# KiCad board yddraig68k.kicad_pcb
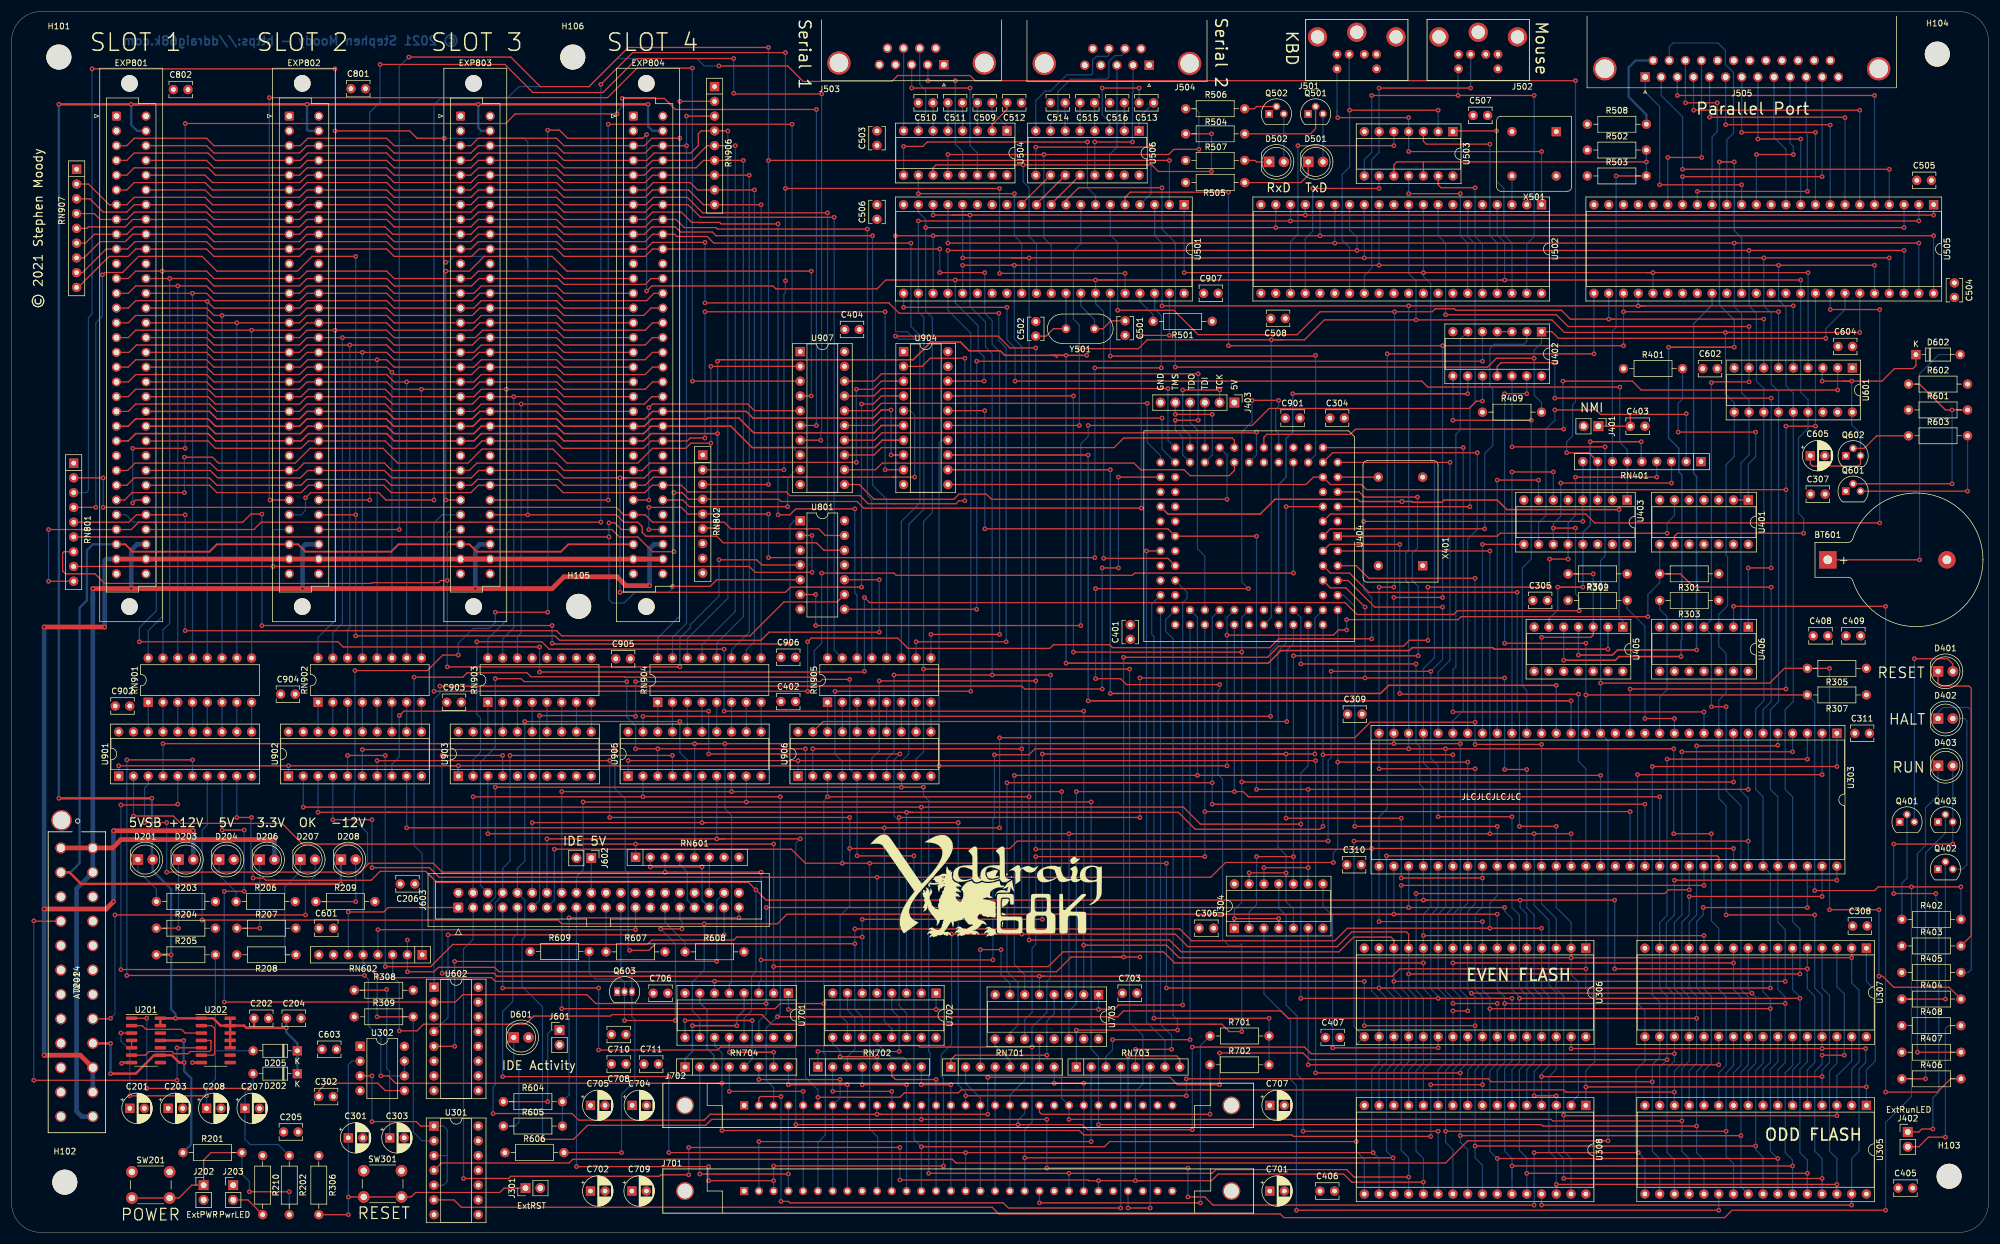
[diagram p0: board, top side]
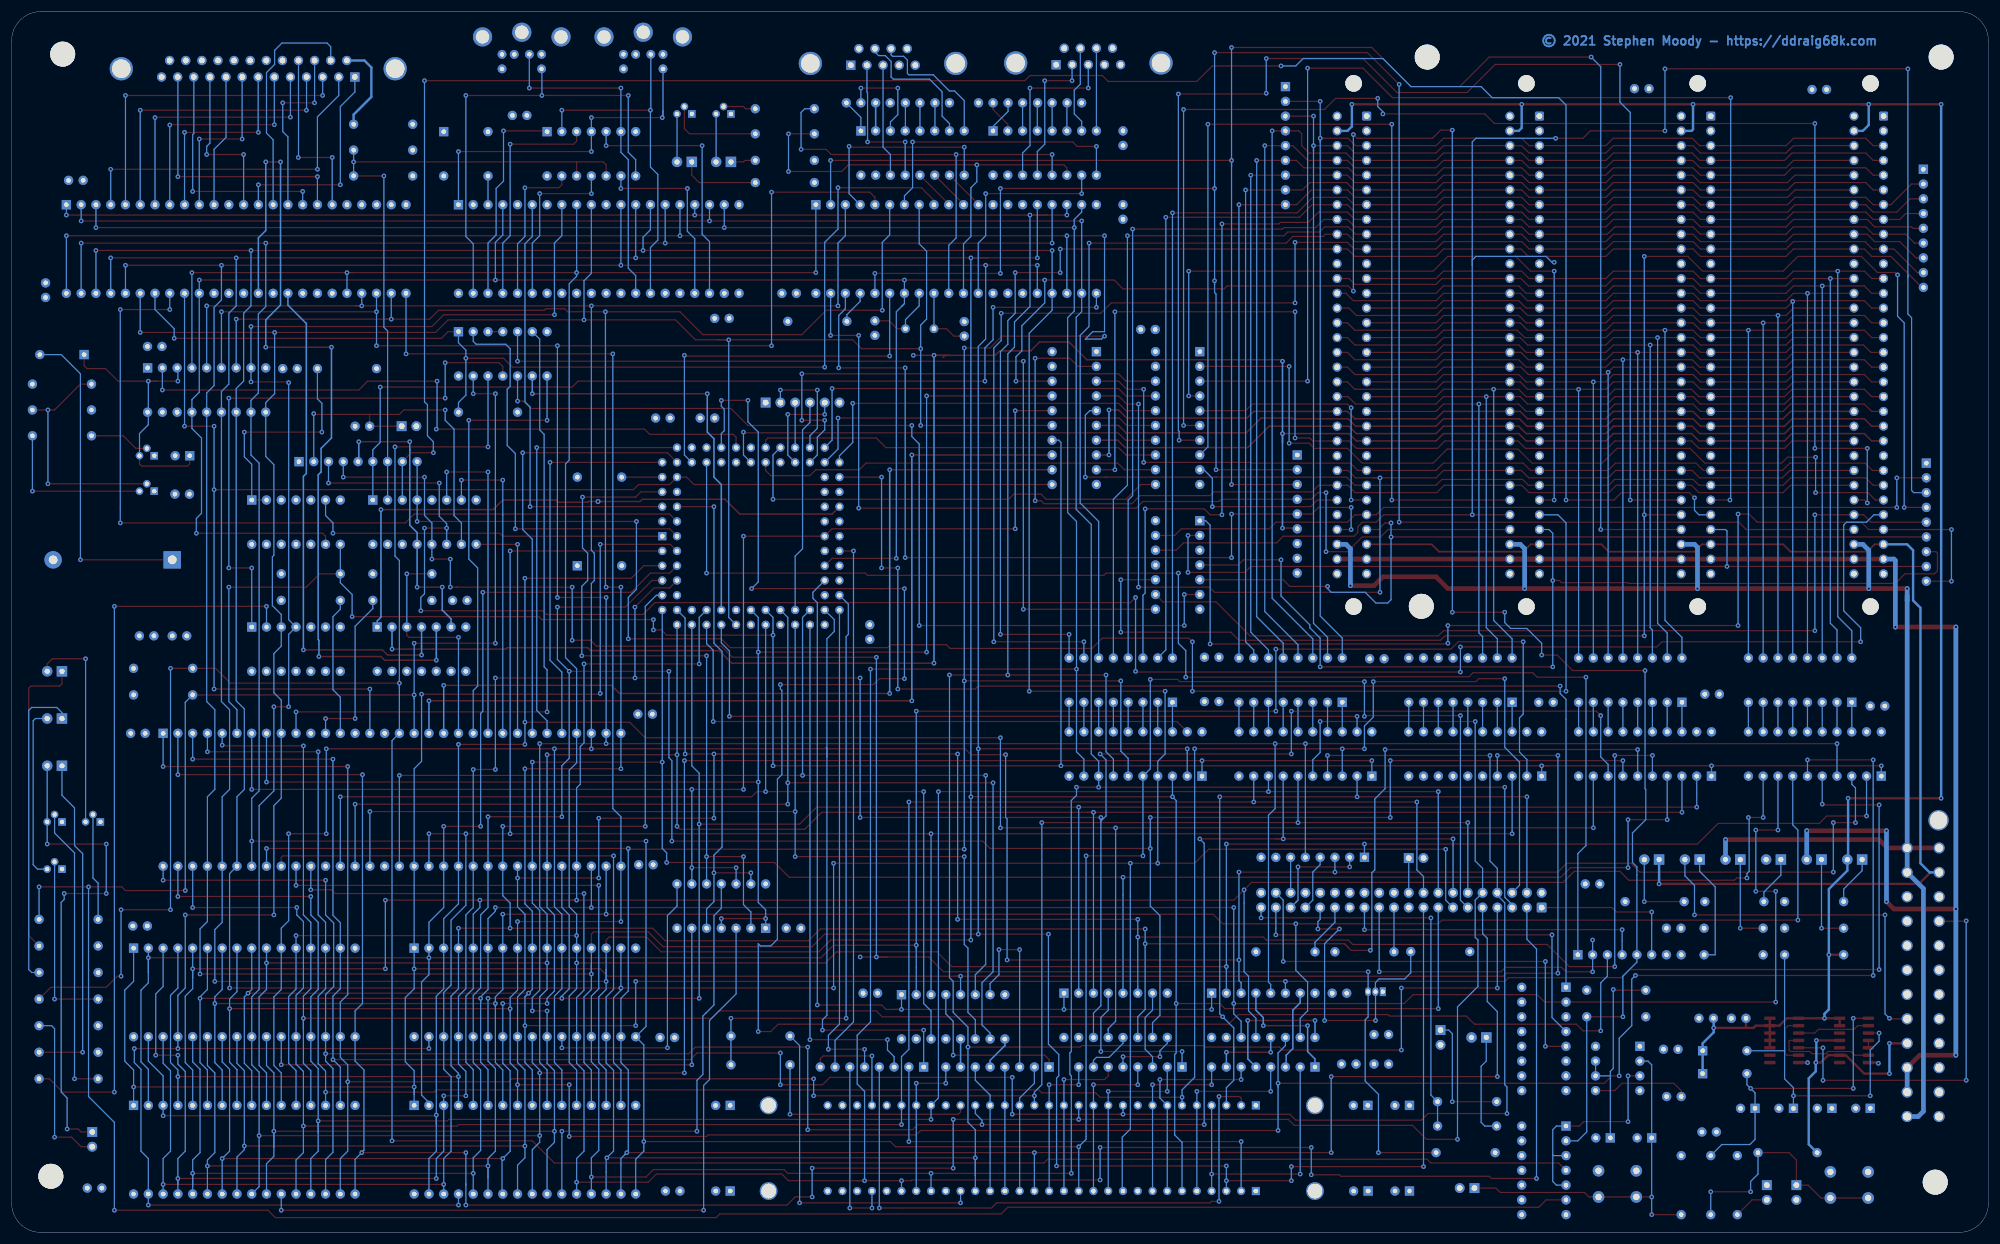
[diagram p1: board, bottom side, seen from below]

Outline 340 x 210 mm; copper layers: Top, In1.Cu, In2.Cu, Bottom. Coordinates in mm from the lower left corner of the outline.
Outline path: 0,205 0,5 arc(1.46,1.46) 5,0 335,0 arc(338.54,1.46) 340,5 340,205 arc(338.54,208.54) 335,210 5,210 arc(1.46,208.54) 0,205

## Placement (name value [footprint] x y rotation side)
BT601  CR2032  [BatteryHolder_Keystone_103_1x20mm]  312.38 115.7 0 top
C201  47uF  [CP_Radial_D5.0mm_P2.50mm]  20.32 21.34 0 top
C202  100nF  [C_Disc_D3.8mm_W2.6mm_P2.50mm]  41.7 36.83 0 top
C203  47uF  [CP_Radial_D5.0mm_P2.50mm]  26.92 21.34 0 top
C204  100nF  [C_Disc_D3.8mm_W2.6mm_P2.50mm]  47.28 36.83 0 top
C205  100nF  [C_Disc_D3.8mm_W2.6mm_P2.50mm]  46.78 17.27 0 top
C206  100nF  [C_Disc_D3.8mm_W2.6mm_P2.50mm]  69.34 59.94 180 top
C207  1uF  [CP_Radial_D5.0mm_P2.50mm]  40.13 21.34 0 top
C208  10uF  [CP_Radial_D5.0mm_P2.50mm]  33.53 21.34 0 top
C301  10uF  [CP_Radial_D5.0mm_P2.50mm]  57.91 16.26 0 top
C302  10nF  [C_Disc_D3.8mm_W2.6mm_P2.50mm]  52.83 23.37 0 top
C303  10uF  [CP_Radial_D5.0mm_P2.50mm]  65.02 16.26 0 top
C304  100nF  [C_Disc_D3.8mm_W2.6mm_P2.50mm]  226.74 140.08 0 top
C305  100nF  [C_Disc_D3.8mm_W2.6mm_P2.50mm]  261.66 108.71 0 top
C306  100nF  [C_Disc_D3.8mm_W2.6mm_P2.50mm]  204.26 52.32 0 top
C307  100nF  [C_Disc_D3.8mm_W2.6mm_P2.50mm]  309.41 127 0 top
C308  100nF  [C_Disc_D3.8mm_W2.6mm_P2.50mm]  316.65 52.71 0 top
C309  100nF  [C_Disc_D3.8mm_W2.6mm_P2.50mm]  229.78 89.15 0 top
C310  100nF  [C_Disc_D3.8mm_W2.6mm_P2.50mm]  229.66 63.25 0 top
C311  100nF  [C_Disc_D3.8mm_W2.6mm_P2.50mm]  317.03 85.85 0 top
C401  100nF  [C_Disc_D3.8mm_W2.6mm_P2.50mm]  192.41 102.02 90 top
C402  100nF  [C_Disc_D3.8mm_W2.6mm_P2.50mm]  132.33 91.31 0 top
C403  100nF  [C_Disc_D3.8mm_W2.6mm_P2.50mm]  278.42 138.68 0 top
C404  100nF  [C_Disc_D3.8mm_W2.6mm_P2.50mm]  143.3 155.32 0 top
C405  100nF  [C_Disc_D3.8mm_W2.6mm_P2.50mm]  324.49 7.62 0 top
C406  100nF  [C_Disc_D3.8mm_W2.6mm_P2.50mm]  225.04 7.11 0 top
C407  100nF  [C_Disc_D3.8mm_W2.6mm_P2.50mm]  225.97 33.53 0 top
C408  100nF  [C_Disc_D3.8mm_W2.6mm_P2.50mm]  309.88 102.62 0 top
C409  100nF  [C_Disc_D3.8mm_W2.6mm_P2.50mm]  315.53 102.62 0 top
C501  10pF  [C_Disc_D3.8mm_W2.6mm_P2.50mm]  191.52 156.81 270 top
C502  5pF  [C_Disc_D3.8mm_W2.6mm_P2.50mm]  176.15 154.18 90 top
C503  100nF  [C_Disc_D3.8mm_W2.6mm_P2.50mm]  148.84 186.98 90 top
C504  100nF  [C_Disc_D3.8mm_W2.6mm_P2.50mm]  334.16 163.33 270 top
C505  100nF  [C_Disc_D3.8mm_W2.6mm_P2.50mm]  327.7 180.97 0 top
C506  100nF  [C_Disc_D3.8mm_W2.6mm_P2.50mm]  148.84 174.28 90 top
C507  100nF  [C_Disc_D3.8mm_W2.6mm_P2.50mm]  251.37 192.15 0 top
C508  100nF  [C_Disc_D3.8mm_W2.6mm_P2.50mm]  219.07 157.23 180 top
C509  100nF  [C_Disc_D3.8mm_W2.6mm_P2.50mm]  168.62 194.31 180 top
C510  100nF  [C_Disc_D3.8mm_W2.6mm_P2.50mm]  158.46 194.31 180 top
C511  100nF  [C_Disc_D3.8mm_W2.6mm_P2.50mm]  163.54 194.31 180 top
C512  100nF  [C_Disc_D3.8mm_W2.6mm_P2.50mm]  173.7 194.31 180 top
C513  100nF  [C_Disc_D3.8mm_W2.6mm_P2.50mm]  196.43 194.31 180 top
C514  100nF  [C_Disc_D3.8mm_W2.6mm_P2.50mm]  181.19 194.31 180 top
C515  100nF  [C_Disc_D3.8mm_W2.6mm_P2.50mm]  186.27 194.31 180 top
C516  100nF  [C_Disc_D3.8mm_W2.6mm_P2.50mm]  191.39 194.31 180 top
C601  100nF  [C_Disc_D3.8mm_W2.6mm_P2.50mm]  52.87 52.32 0 top
C602  100nF  [C_Disc_D3.8mm_W2.6mm_P2.50mm]  290.87 148.59 0 top
C603  100nF  [C_Disc_D3.8mm_W2.6mm_P2.50mm]  53.38 31.5 0 top
C604  100nF  [C_Disc_D3.8mm_W2.6mm_P2.50mm]  314.14 152.4 0 top
C605  10uF  [CP_Radial_D5.0mm_P2.50mm]  309.37 133.6 0 top
C701  47uF  [CP_Radial_D5.0mm_P2.50mm]  216.41 7.11 0 top
C702  10uF  [CP_Radial_D5.0mm_P2.50mm]  99.57 7.11 0 top
C703  100nF  [C_Disc_D3.8mm_W2.6mm_P2.50mm]  191.05 41.15 0 top
C704  47uF  [CP_Radial_D5.0mm_P2.50mm]  106.72 21.84 0 top
C705  10uF  [CP_Radial_D5.0mm_P2.50mm]  99.57 21.84 0 top
C706  100nF  [C_Disc_D3.8mm_W2.6mm_P2.50mm]  110.36 41.15 0 top
C707  47uF  [CP_Radial_D5.0mm_P2.50mm]  216.41 21.84 0 top
C708  100nF  [C_Disc_D3.8mm_W2.6mm_P2.50mm]  105.66 28.96 180 top
C709  47uF  [CP_Radial_D5.0mm_P2.50mm]  106.68 7.11 0 top
C710  100nF  [C_Disc_D3.8mm_W2.6mm_P2.50mm]  105.66 34.04 180 top
C711  100nF  [C_Disc_D3.8mm_W2.6mm_P2.50mm]  108.75 28.96 0 top
C801  100nF  [C_Disc_D3.8mm_W2.6mm_P2.50mm]  58.37 196.75 0 top
C802  100nF  [C_Disc_D3.8mm_W2.6mm_P2.50mm]  27.83 196.6 0 top
C901  100nF  [C_Disc_D3.8mm_W2.6mm_P2.50mm]  219.07 140.08 0 top
C902  100nF  [C_Disc_D3.8mm_W2.6mm_P2.50mm]  17.82 90.55 0 top
C903  100nF  [C_Disc_D3.8mm_W2.6mm_P2.50mm]  74.84 91.19 0 top
C904  100nF  [C_Disc_D3.8mm_W2.6mm_P2.50mm]  46.27 92.58 0 top
C905  100nF  [C_Disc_D3.8mm_W2.6mm_P2.50mm]  103.93 98.68 0 top
C906  100nF  [C_Disc_D3.8mm_W2.6mm_P2.50mm]  132.33 98.93 0 top
C907  100nF  [C_Disc_D3.8mm_W2.6mm_P2.50mm]  205.02 161.54 0 top
D201  LED  [LED_D5.0mm]  21.72 64.13 0 top
D202  1N4148  [D_DO-35_SOD27_P7.62mm_Horizontal]  49.15 27.31 180 top
D203  LED  [LED_D5.0mm]  28.7 64.13 0 top
D204  LED  [LED_D5.0mm]  35.69 64.13 0 top
D205  1N4148  [D_DO-35_SOD27_P7.62mm_Horizontal]  49.15 31.24 180 top
D206  LED  [LED_D5.0mm]  42.67 64.13 0 top
D207  LED  [LED_D5.0mm]  49.66 64.13 0 top
D208  LED  [LED_D5.0mm]  56.64 64.13 0 top
D401  RED  [LED_D5.0mm]  331.34 96.52 0 top
D402  RED  [LED_D5.0mm]  331.34 88.39 0 top
D403  GREEN  [LED_D5.0mm]  331.34 80.26 0 top
D501  Green  [LED_D5.0mm]  223.01 184.15 0 top
D502  Green  [LED_D5.0mm]  216.28 184.15 0 top
D601  Blue  [LED_D5.0mm]  86.36 33.53 0 top
D602  1N4148  [D_DO-35_SOD27_P7.62mm_Horizontal]  327.53 151 0 top
EXP801  D68K_64PIN_PCB  [DIN41612_C_2x32_Female_Vertical_THT]  18.03 192.02 0 top
EXP802  D68K_64PIN_PCB  [DIN41612_C_2x32_Female_Vertical_THT]  47.75 192.02 0 top
EXP803  D68K_64PIN_PCB  [DIN41612_C_2x32_Female_Vertical_THT]  77.22 192.02 0 top
EXP804  D68K_64PIN_PCB  [DIN41612_C_2x32_Female_Vertical_THT]  106.93 192.02 0 top
G***  LOGO  [Ddraig68k-40mm]  167.89 59.94 0 top
H101  MountingHole  [MountingHole_4.3mm_M4]  8.13 202.18 0 top
H102  MountingHole  [MountingHole_4.3mm_M4]  9.14 8.64 0 top
H103  MountingHole  [MountingHole_4.3mm_M4]  333.25 9.65 0 top
H104  MountingHole  [MountingHole_4.3mm_M4]  331.22 202.69 0 top
H105  MountingHole  [MountingHole_4.3mm_M4]  97.54 107.7 0 top
H106  MountingHole  [MountingHole_4.3mm_M4]  96.52 202.18 0 top
J201  ATX-24  [1-1775099-3]  13.97 66.13 270 top
J202  ExtPWR  [PinHeader_1x02_P2.54mm_Vertical]  33.02 8.13 0 top
J203  PWRLED  [PinHeader_1x02_P2.54mm_Vertical]  38.1 8.13 0 top
J301  Conn_01x02  [PinHeader_1x02_P2.54mm_Vertical]  88.39 7.62 90 top
J401  NMI Reset  [PinHeader_1x02_P2.54mm_Vertical]  272.92 138.68 270 top
J402  Ext RUN LED  [PinHeader_1x02_P2.54mm_Vertical]  326.14 17.27 0 top
J403  Conn_01x06  [PinHeader_1x06_P2.54mm_Vertical]  210.31 142.75 270 top
J501  Keyboard  [MINI-DIN-6-FULL-SHIELD]  231.37 211.15 0 top
J502  Mouse  [MINI-DIN-6-FULL-SHIELD]  252.25 211.15 0 top
J503  Serial1  [DSUB-9_Male_Horizontal_P2.77x2.84mm_EdgePinOffset4.94mm_Housed_MountingHolesOffset7.48mm]  160.34 200.87 180 top
J504  Serial2  [DSUB-9_Male_Horizontal_P2.77x2.84mm_EdgePinOffset4.94mm_Housed_MountingHolesOffset7.48mm]  195.66 200.79 180 top
J505  Parallel  [DSUB-25_Female_Horizontal_P2.77x2.84mm_EdgePinOffset7.70mm_Housed_MountingHolesOffset9.12mm]  280.97 198.75 180 top
J601  IDE LED  [PinHeader_1x02_P2.54mm_Vertical]  94.23 34.8 0 top
J602  IDE 5V  [PinHeader_1x02_P2.54mm_Vertical]  99.69 64.39 270 top
J603  IDE_Interface  [IDC-Header_2x20_P2.54mm_Vertical]  76.84 55.88 90 top
J701  -  [SIMM-30]  162.81 7.11 0 top
J702  -  [SIMM-30]  162.81 21.84 0 top
Q401  2N4403  [TO-92]  324.74 70.61 0 top
Q402  2N4403  [TO-92]  331.34 62.48 0 top
Q403  2N4403  [TO-92]  331.34 70.61 0 top
Q501  2N4403  [TO-92]  223.01 192.41 0 top
Q502  2N4403  [TO-92]  216.28 192.41 0 top
Q601  BC549B  [TO-92]  315.47 127.51 0 top
Q602  2N4403  [TO-92]  315.47 133.6 0 top
Q603  2N7000  [TO-92_Inline]  104.16 41.4 0 top
R201  10K  [R_Axial_DIN0207_L6.3mm_D2.5mm_P10.16mm_Horizontal]  29.46 13.72 0 top
R202  470R  [R_Axial_DIN0207_L6.3mm_D2.5mm_P10.16mm_Horizontal]  47.75 13.21 270 top
R203  330R  [R_Axial_DIN0207_L6.3mm_D2.5mm_P10.16mm_Horizontal]  24.89 56.9 0 top
R204  680R  [R_Axial_DIN0207_L6.3mm_D2.5mm_P10.16mm_Horizontal]  24.89 52.32 0 top
R205  10K  [R_Axial_DIN0207_L6.3mm_D2.5mm_P10.16mm_Horizontal]  24.89 47.75 0 top
R206  330R  [R_Axial_DIN0207_L6.3mm_D2.5mm_P10.16mm_Horizontal]  38.61 56.9 0 top
R207  330R  [R_Axial_DIN0207_L6.3mm_D2.5mm_P10.16mm_Horizontal]  38.73 52.32 0 top
R208  330R  [R_Axial_DIN0207_L6.3mm_D2.5mm_P10.16mm_Horizontal]  48.9 47.75 180 top
R209  680R  [R_Axial_DIN0207_L6.3mm_D2.5mm_P10.16mm_Horizontal]  52.32 56.9 0 top
R210  330R  [R_Axial_DIN0207_L6.3mm_D2.5mm_P10.16mm_Horizontal]  43.18 3.05 90 top
R301  4K7  [R_Axial_DIN0207_L6.3mm_D2.5mm_P10.16mm_Horizontal]  293.62 113.28 180 top
R302  4K7  [R_Axial_DIN0207_L6.3mm_D2.5mm_P10.16mm_Horizontal]  277.88 113.28 180 top
R303  4K7  [R_Axial_DIN0207_L6.3mm_D2.5mm_P10.16mm_Horizontal]  293.62 108.71 180 top
R304  4K7  [R_Axial_DIN0207_L6.3mm_D2.5mm_P10.16mm_Horizontal]  267.72 108.71 0 top
R305  4K7  [R_Axial_DIN0207_L6.3mm_D2.5mm_P10.16mm_Horizontal]  319.02 97.03 180 top
R306  10K  [R_Axial_DIN0207_L6.3mm_D2.5mm_P10.16mm_Horizontal]  52.83 13.21 270 top
R307  4K7  [R_Axial_DIN0207_L6.3mm_D2.5mm_P10.16mm_Horizontal]  319.02 92.46 180 top
R308  38K  [R_Axial_DIN0207_L6.3mm_D2.5mm_P10.16mm_Horizontal]  69.09 41.66 180 top
R309  4K7  [R_Axial_DIN0207_L6.3mm_D2.5mm_P10.16mm_Horizontal]  58.93 37.08 0 top
R401  4K7  [R_Axial_DIN0207_L6.3mm_D2.5mm_P10.16mm_Horizontal]  277.24 148.59 0 top
R402  1K  [R_Axial_DIN0207_L6.3mm_D2.5mm_P10.16mm_Horizontal]  325.12 53.85 0 top
R403  150R  [R_Axial_DIN0207_L6.3mm_D2.5mm_P10.16mm_Horizontal]  325.12 49.28 0 top
R404  1K  [R_Axial_DIN0207_L6.3mm_D2.5mm_P10.16mm_Horizontal]  325.12 40.13 0 top
R405  150R  [R_Axial_DIN0207_L6.3mm_D2.5mm_P10.16mm_Horizontal]  325.12 44.7 0 top
R406  1K  [R_Axial_DIN0207_L6.3mm_D2.5mm_P10.16mm_Horizontal]  325.12 26.42 0 top
R407  150R  [R_Axial_DIN0207_L6.3mm_D2.5mm_P10.16mm_Horizontal]  325.12 30.99 0 top
R408  150R  [R_Axial_DIN0207_L6.3mm_D2.5mm_P10.16mm_Horizontal]  325.12 35.56 0 top
R409  4K7  [R_Axial_DIN0207_L6.3mm_D2.5mm_P10.16mm_Horizontal]  252.98 141.1 0 top
R501  4K7  [R_Axial_DIN0207_L6.3mm_D2.5mm_P10.16mm_Horizontal]  206.5 156.72 180 top
R502  10K  [R_Axial_DIN0207_L6.3mm_D2.5mm_P10.16mm_Horizontal]  271.02 186.18 0 top
R503  10K  [R_Axial_DIN0207_L6.3mm_D2.5mm_P10.16mm_Horizontal]  271.02 181.74 0 top
R504  150R  [R_Axial_DIN0207_L6.3mm_D2.5mm_P10.16mm_Horizontal]  212.09 188.98 180 top
R505  150R  [R_Axial_DIN0207_L6.3mm_D2.5mm_P10.16mm_Horizontal]  212.09 180.59 180 top
R506  150R  [R_Axial_DIN0207_L6.3mm_D2.5mm_P10.16mm_Horizontal]  212.09 193.29 180 top
R507  150R  [R_Axial_DIN0207_L6.3mm_D2.5mm_P10.16mm_Horizontal]  212.09 184.4 180 top
R508  1K  [R_Axial_DIN0207_L6.3mm_D2.5mm_P10.16mm_Horizontal]  271.02 190.63 0 top
R601  4K7  [R_Axial_DIN0207_L6.3mm_D2.5mm_P10.16mm_Horizontal]  326.26 141.48 0 top
R602  4K7  [R_Axial_DIN0207_L6.3mm_D2.5mm_P10.16mm_Horizontal]  326.26 145.92 0 top
R603  4K7  [R_Axial_DIN0207_L6.3mm_D2.5mm_P10.16mm_Horizontal]  326.26 137.03 0 top
R604  330R  [R_Axial_DIN0207_L6.3mm_D2.5mm_P10.16mm_Horizontal]  84.58 22.48 0 top
R605  330R  [R_Axial_DIN0207_L6.3mm_D2.5mm_P10.16mm_Horizontal]  84.58 18.29 0 top
R606  1M  [R_Axial_DIN0207_L6.3mm_D2.5mm_P10.16mm_Horizontal]  84.84 13.72 0 top
R607  10K  [R_Axial_DIN0207_L6.3mm_D2.5mm_P10.16mm_Horizontal]  102.24 48.26 0 top
R608  10K  [R_Axial_DIN0207_L6.3mm_D2.5mm_P10.16mm_Horizontal]  115.82 48.26 0 top
R609  10K  [R_Axial_DIN0207_L6.3mm_D2.5mm_P10.16mm_Horizontal]  89.2 48.3 0 top
R701  22R  [R_Axial_DIN0207_L6.3mm_D2.5mm_P10.16mm_Horizontal]  206.12 33.78 0 top
R702  22R  [R_Axial_DIN0207_L6.3mm_D2.5mm_P10.16mm_Horizontal]  206.12 28.83 0 top
RN401  10K  [R_Array_SIP9]  290.58 132.59 180 top
RN601  22R  [R_Array_SIP8]  107.31 64.52 0 top
RN602  22R  [R_Array_SIP8]  70.61 47.75 180 top
RN701  22R  [R_Array_SIP8]  161.54 28.45 0 top
RN702  22R  [R_Array_SIP8]  138.68 28.45 0 top
RN703  22R  [R_Array_SIP8]  183.13 28.45 0 top
RN704  22R  [R_Array_SIP8]  115.82 28.45 0 top
RN801  10K  [R_Array_SIP9]  10.67 132.33 270 top
RN802  10K  [R_Array_SIP9]  118.87 133.73 270 top
RN901  22R  [DIP-16_W7.62mm]  23.49 91.19 90 top
RN902  22R  [DIP-16_W7.62mm]  52.7 91.19 90 top
RN903  22R  [DIP-16_W7.62mm]  81.91 91.19 90 top
RN904  22R  [DIP-16_W7.62mm]  111.12 91.19 90 top
RN905  22R  [DIP-16_W7.62mm]  140.34 91.19 90 top
RN906  10K  [R_Array_SIP9]  120.9 197.1 270 top
RN907  10K  [R_Array_SIP9]  11.18 182.88 270 top
SW201  SW_SPST  [SW_PUSH_6mm_H4.3mm]  20.68 10.41 0 top
SW301  SW_SPST  [SW_PUSH_6mm_H4.3mm]  60.56 10.6 0 top
U201  74HCT14  [SO-14_3.9x8.65mm_P1.27mm]  23.11 33.02 0 top
U202  74HCT74  [SO-14_3.9x8.65mm_P1.27mm]  35.11 33.02 0 top
U301  74LS06  [DIP-14_W7.62mm_Socket]  72.64 18.29 0 top
U302  NE555P  [DIP-8_W7.62mm]  59.94 32 0 top
U303  68000D  [DIP-64_W22.86mm_Socket]  313.94 85.85 270 top
U304  74LS32  [DIP-14_W7.62mm_Socket]  210.31 52.32 90 top
U305  SST39SF040  [DIP-32_W15.24mm_Socket]  319.02 21.84 270 top
U306  SST39SF040  [DIP-32_W15.24mm_Socket]  270.76 48.9 270 top
U307  AS6C4008-55PCN  [DIP-32_W15.24mm_Socket]  319.02 48.9 270 top
U308  AS6C4008-55PCN  [DIP-32_W15.24mm_Socket]  270.76 21.84 270 top
U401  74HC164  [DIP-14_W7.62mm_Socket]  298.7 125.98 270 top
U402  74LS08  [DIP-14_W7.62mm_Socket]  263.14 154.94 270 top
U403  74LS148  [DIP-16_W7.62mm_Socket]  277.88 125.98 270 top
U404  XC95108PC84  [PLCC-84_THT-Socket]  228.09 119.76 270 top
U405  74LS08  [DIP-14_W7.62mm_Socket]  277.11 104.14 270 top
U406  74LS04  [DIP-14_W7.62mm_Socket]  298.7 104.14 270 top
U501  68681  [DIP-40_W15.24mm_Socket]  201.68 176.78 270 top
U502  VT82C42  [DIP-40_W15.24mm_Socket]  263.14 176.78 270 top
U503  74LS06  [DIP-14_W7.62mm_Socket]  247.9 189.36 270 top
U504  MAX202  [DIP-16_W7.62mm_Socket]  171.2 189.48 270 top
U505  68230  [DIP-48_W15.24mm_Socket]  330.58 176.78 270 top
U506  MAX202  [DIP-16_W7.62mm_Socket]  193.93 189.48 270 top
U601  RTC-72421  [DIP-18_W7.62mm_Socket]  316.61 148.72 270 top
U602  74LS139  [DIP-16_W7.62mm_Socket]  72.64 42.16 0 top
U701  74LS157  [DIP-16_W7.62mm_Socket]  133.6 41.15 270 top
U702  74LS157  [DIP-16_W7.62mm_Socket]  159 41.15 270 top
U703  74LS157  [DIP-16_W7.62mm_Socket]  186.94 40.89 270 top
U801  74LS21  [DIP-14_W7.62mm]  135.64 122.43 0 top
U901  74LS541  [DIP-20_W7.62mm_Socket]  18.41 78.49 90 top
U902  74LS541  [DIP-20_W7.62mm_Socket]  47.62 78.49 90 top
U903  74LS541  [DIP-20_W7.62mm_Socket]  76.84 78.49 90 top
U904  74LS245  [DIP-20_W7.62mm_Socket]  153.42 151.51 0 top
U905  74LS245  [DIP-20_W7.62mm_Socket]  106.05 78.49 90 top
U906  74LS245  [DIP-20_W7.62mm_Socket]  135.25 78.49 90 top
U907  74LS245  [DIP-20_W7.62mm_Socket]  135.64 151.51 0 top
X401  40MHz  [Oscillator_DIP-14]  242.7 114.68 90 top
X501  CXO_DIP8  [Oscillator_DIP-8]  265.68 189.36 180 top
Y501  3.6864MHz  [Crystal_HC18-U_Vertical]  186.26 155.45 180 top

## Footprints (pads in the part's own frame, mm; a bottom-side part is the same pattern mirrored in y, then rotated)
1-1775099-3
  round 1.905 hole 1.397: 1(0,0) 2(4.2,0) 3(8.4,0) 4(12.6,0) 5(16.8,0) 6(21,0) 7(25.2,0) 8(29.4,0) 9(33.6,0) 10(37.8,0) 11(42,0) 12(46.2,0) 13(0,-5.5) 14(4.2,-5.5) 15(8.4,-5.5) 16(12.6,-5.5) 17(16.8,-5.5) 18(21,-5.5) 19(25.2,-5.5) 20(29.4,-5.5) 21(33.6,-5.5) 22(37.8,-5.5) 23(42,-5.5) 24(46.2,-5.5)
  round 3.505 hole 2.997: 25(-4.764,-5.397)
BatteryHolder_Keystone_103_1x20mm
  rect 3x3 hole 1.5: 1(0,0)
  round 3 hole 1.5: 2(20.49,0)
C_Disc_D3.8mm_W2.6mm_P2.50mm
  round 1.6 hole 0.8: 1(0,0) 2(2.5,0)
CP_Radial_D5.0mm_P2.50mm
  rect 1.6x1.6 hole 0.8: 1(0,0)
  round 1.6 hole 0.8: 2(2.5,0)
Crystal_HC18-U_Vertical
  round 1.5 hole 0.8: 1(0,0) 2(4.9,0)
D_DO-35_SOD27_P7.62mm_Horizontal
  rect 1.6x1.6 hole 0.8: 1(0,0)
  oval 1.6x1.6 hole 0.8: 2(7.62,0)
DIN41612_C_2x32_Female_Vertical_THT
  round 2.85 hole 2.85 unplated: (2.24,5.63) (2.24,-84.37)
  rrect 1.55x1.55 hole 1: A1(0,0)
  round 1.55 hole 1: A2(0,-2.54) A3(0,-5.08) A4(0,-7.62) A5(0,-10.16) A6(0,-12.7) A7(0,-15.24) A8(0,-17.78) A9(0,-20.32) A10(0,-22.86) A11(0,-25.4) A12(0,-27.94) A13(0,-30.48) A14(0,-33.02) A15(0,-35.56) A16(0,-38.1) A17(0,-40.64) A18(0,-43.18) A19(0,-45.72) A20(0,-48.26) A21(0,-50.8) A22(0,-53.34) A23(0,-55.88) A24(0,-58.42) A25(0,-60.96) A26(0,-63.5) A27(0,-66.04) A28(0,-68.58) A29(0,-71.12) A30(0,-73.66) A31(0,-76.2) A32(0,-78.74) C1(5.08,0) C2(5.08,-2.54) C3(5.08,-5.08) C4(5.08,-7.62) C5(5.08,-10.16) C6(5.08,-12.7) C7(5.08,-15.24) C8(5.08,-17.78) C9(5.08,-20.32) C10(5.08,-22.86) C11(5.08,-25.4) C12(5.08,-27.94) C13(5.08,-30.48) C14(5.08,-33.02) C15(5.08,-35.56) C16(5.08,-38.1) C17(5.08,-40.64) C18(5.08,-43.18) C19(5.08,-45.72) C20(5.08,-48.26) C21(5.08,-50.8) C22(5.08,-53.34) C23(5.08,-55.88) C24(5.08,-58.42) C25(5.08,-60.96) C26(5.08,-63.5) C27(5.08,-66.04) C28(5.08,-68.58) C29(5.08,-71.12) C30(5.08,-73.66) C31(5.08,-76.2) C32(5.08,-78.74)
DIP-8_W7.62mm
  rect 1.6x1.6 hole 0.8: 1(0,0)
  oval 1.6x1.6 hole 0.8: 2(0,-2.54) 3(0,-5.08) 4(0,-7.62) 5(7.62,-7.62) 6(7.62,-5.08) 7(7.62,-2.54) 8(7.62,0)
DIP-14_W7.62mm
  rect 1.6x1.6 hole 0.8: 1(0,0)
  oval 1.6x1.6 hole 0.8: 2(0,-2.54) 3(0,-5.08) 4(0,-7.62) 5(0,-10.16) 6(0,-12.7) 7(0,-15.24) 8(7.62,-15.24) 9(7.62,-12.7) 10(7.62,-10.16) 11(7.62,-7.62) 12(7.62,-5.08) 13(7.62,-2.54) 14(7.62,0)
DIP-14_W7.62mm_Socket
  rect 1.6x1.6 hole 0.8: 1(0,0)
  oval 1.6x1.6 hole 0.8: 2(0,-2.54) 3(0,-5.08) 4(0,-7.62) 5(0,-10.16) 6(0,-12.7) 7(0,-15.24) 8(7.62,-15.24) 9(7.62,-12.7) 10(7.62,-10.16) 11(7.62,-7.62) 12(7.62,-5.08) 13(7.62,-2.54) 14(7.62,0)
DIP-16_W7.62mm
  rect 1.6x1.6 hole 0.8: 1(0,0)
  oval 1.6x1.6 hole 0.8: 2(0,-2.54) 3(0,-5.08) 4(0,-7.62) 5(0,-10.16) 6(0,-12.7) 7(0,-15.24) 8(0,-17.78) 9(7.62,-17.78) 10(7.62,-15.24) 11(7.62,-12.7) 12(7.62,-10.16) 13(7.62,-7.62) 14(7.62,-5.08) 15(7.62,-2.54) 16(7.62,0)
DIP-16_W7.62mm_Socket
  rect 1.6x1.6 hole 0.8: 1(0,0)
  oval 1.6x1.6 hole 0.8: 2(0,-2.54) 3(0,-5.08) 4(0,-7.62) 5(0,-10.16) 6(0,-12.7) 7(0,-15.24) 8(0,-17.78) 9(7.62,-17.78) 10(7.62,-15.24) 11(7.62,-12.7) 12(7.62,-10.16) 13(7.62,-7.62) 14(7.62,-5.08) 15(7.62,-2.54) 16(7.62,0)
DIP-18_W7.62mm_Socket
  rect 1.6x1.6 hole 0.8: 1(0,0)
  oval 1.6x1.6 hole 0.8: 2(0,-2.54) 3(0,-5.08) 4(0,-7.62) 5(0,-10.16) 6(0,-12.7) 7(0,-15.24) 8(0,-17.78) 9(0,-20.32) 10(7.62,-20.32) 11(7.62,-17.78) 12(7.62,-15.24) 13(7.62,-12.7) 14(7.62,-10.16) 15(7.62,-7.62) 16(7.62,-5.08) 17(7.62,-2.54) 18(7.62,0)
DIP-20_W7.62mm_Socket
  rect 1.6x1.6 hole 0.8: 1(0,0)
  oval 1.6x1.6 hole 0.8: 2(0,-2.54) 3(0,-5.08) 4(0,-7.62) 5(0,-10.16) 6(0,-12.7) 7(0,-15.24) 8(0,-17.78) 9(0,-20.32) 10(0,-22.86) 11(7.62,-22.86) 12(7.62,-20.32) 13(7.62,-17.78) 14(7.62,-15.24) 15(7.62,-12.7) 16(7.62,-10.16) 17(7.62,-7.62) 18(7.62,-5.08) 19(7.62,-2.54) 20(7.62,0)
DIP-32_W15.24mm_Socket
  rect 1.6x1.6 hole 0.8: 1(0,0)
  oval 1.6x1.6 hole 0.8: 2(0,-2.54) 3(0,-5.08) 4(0,-7.62) 5(0,-10.16) 6(0,-12.7) 7(0,-15.24) 8(0,-17.78) 9(0,-20.32) 10(0,-22.86) 11(0,-25.4) 12(0,-27.94) 13(0,-30.48) 14(0,-33.02) 15(0,-35.56) 16(0,-38.1) 17(15.24,-38.1) 18(15.24,-35.56) 19(15.24,-33.02) 20(15.24,-30.48) 21(15.24,-27.94) 22(15.24,-25.4) 23(15.24,-22.86) 24(15.24,-20.32) 25(15.24,-17.78) 26(15.24,-15.24) 27(15.24,-12.7) 28(15.24,-10.16) 29(15.24,-7.62) 30(15.24,-5.08) 31(15.24,-2.54) 32(15.24,0)
DIP-40_W15.24mm_Socket
  rect 1.6x1.6 hole 0.8: 1(0,0)
  oval 1.6x1.6 hole 0.8: 2(0,-2.54) 3(0,-5.08) 4(0,-7.62) 5(0,-10.16) 6(0,-12.7) 7(0,-15.24) 8(0,-17.78) 9(0,-20.32) 10(0,-22.86) 11(0,-25.4) 12(0,-27.94) 13(0,-30.48) 14(0,-33.02) 15(0,-35.56) 16(0,-38.1) 17(0,-40.64) 18(0,-43.18) 19(0,-45.72) 20(0,-48.26) 21(15.24,-48.26) 22(15.24,-45.72) 23(15.24,-43.18) 24(15.24,-40.64) 25(15.24,-38.1) 26(15.24,-35.56) 27(15.24,-33.02) 28(15.24,-30.48) 29(15.24,-27.94) 30(15.24,-25.4) 31(15.24,-22.86) 32(15.24,-20.32) 33(15.24,-17.78) 34(15.24,-15.24) 35(15.24,-12.7) 36(15.24,-10.16) 37(15.24,-7.62) 38(15.24,-5.08) 39(15.24,-2.54) 40(15.24,0)
DIP-48_W15.24mm_Socket
  rect 1.6x1.6 hole 0.8: 1(0,0)
  oval 1.6x1.6 hole 0.8: 2(0,-2.54) 3(0,-5.08) 4(0,-7.62) 5(0,-10.16) 6(0,-12.7) 7(0,-15.24) 8(0,-17.78) 9(0,-20.32) 10(0,-22.86) 11(0,-25.4) 12(0,-27.94) 13(0,-30.48) 14(0,-33.02) 15(0,-35.56) 16(0,-38.1) 17(0,-40.64) 18(0,-43.18) 19(0,-45.72) 20(0,-48.26) 21(0,-50.8) 22(0,-53.34) 23(0,-55.88) 24(0,-58.42) 25(15.24,-58.42) 26(15.24,-55.88) 27(15.24,-53.34) 28(15.24,-50.8) 29(15.24,-48.26) 30(15.24,-45.72) 31(15.24,-43.18) 32(15.24,-40.64) 33(15.24,-38.1) 34(15.24,-35.56) 35(15.24,-33.02) 36(15.24,-30.48) 37(15.24,-27.94) 38(15.24,-25.4) 39(15.24,-22.86) 40(15.24,-20.32) 41(15.24,-17.78) 42(15.24,-15.24) 43(15.24,-12.7) 44(15.24,-10.16) 45(15.24,-7.62) 46(15.24,-5.08) 47(15.24,-2.54) 48(15.24,0)